# Altium PCB CM_PCB.PcbDoc (part 7 of 7)
Units mil, origin at the board's own origin, x right, y up, seen from the top; angles counter-clockwise.
Board outline 6478 x 5255 mil, 14 copper layers (Top Layer, GND1, HS1, GND2, DIFF_SE1, GND3, POWER1, POWER2, GND4, DIFF_SE2, GND5, HS2, GND6, Bottom Layer), stack 76.1 mil thick; 327 components, 386 nets, 2198 pads, 830 vias.
Unrouted connection lines stored in the file: 392.
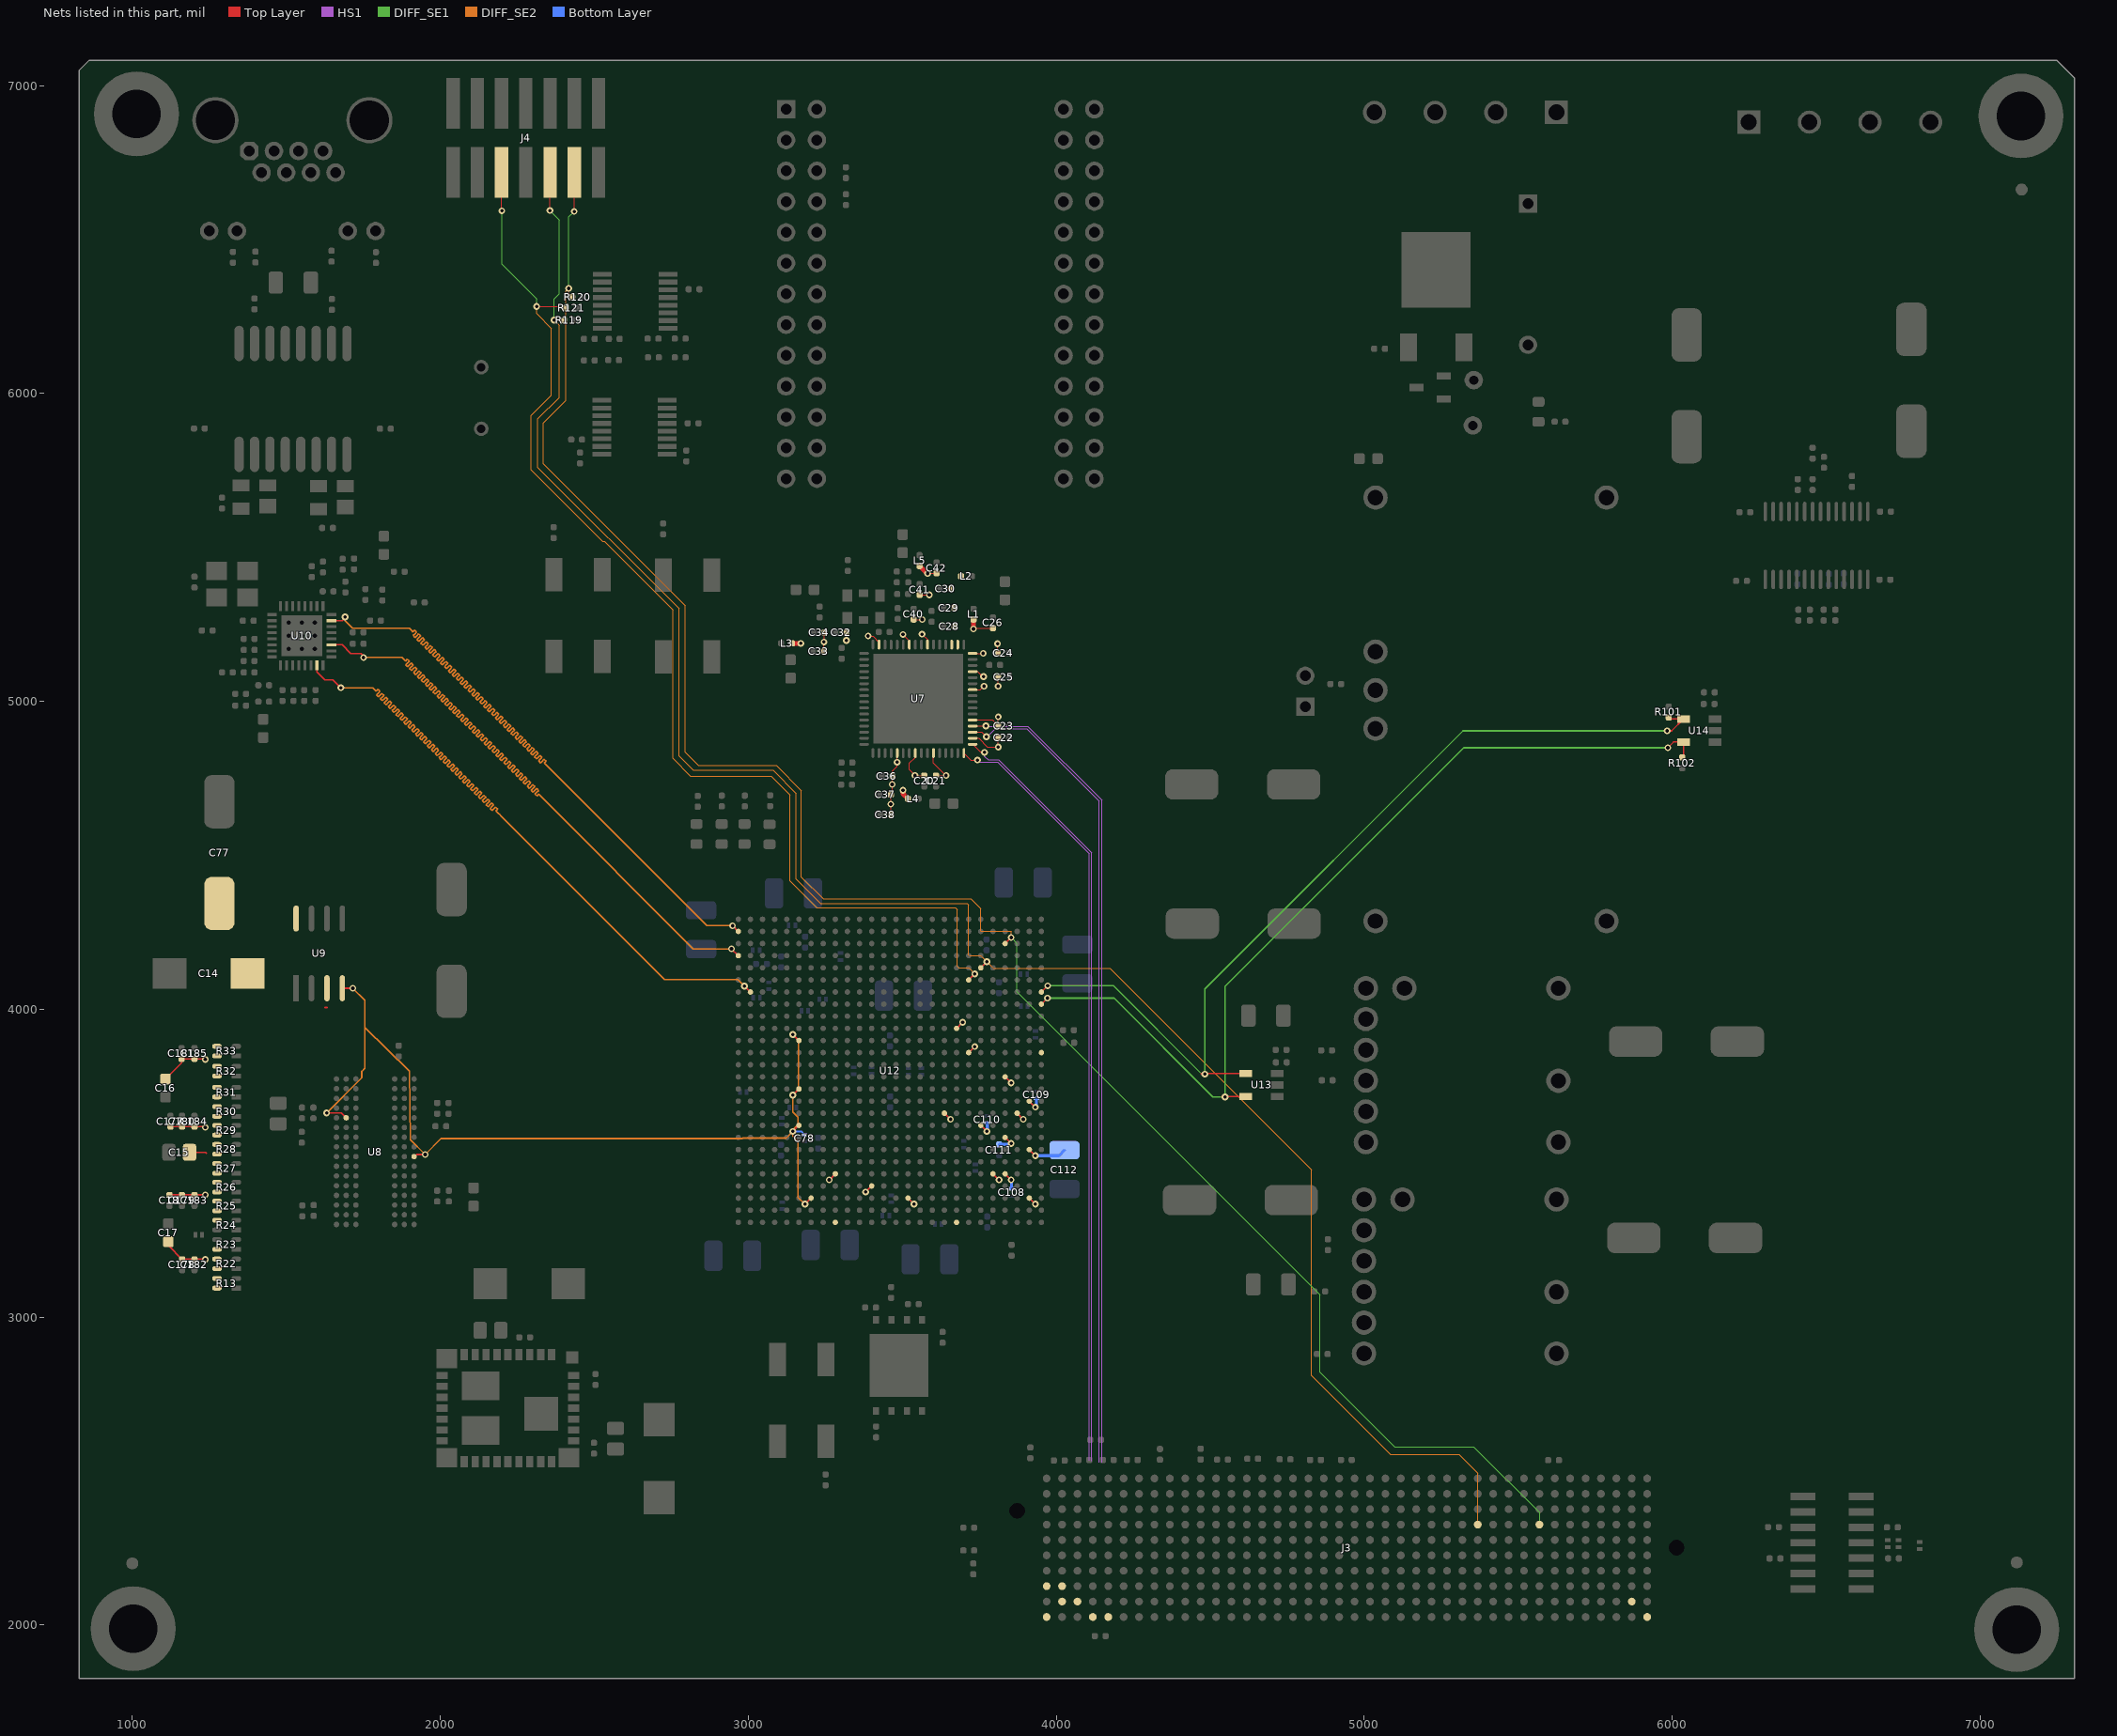
[diagram p19: the nets of this part, all layers, seen from the top]

## Via types
v1: diameter 22, hole 11, Top Layer to Bottom Layer, 627 vias
v2: diameter 22, hole 11, Top Layer to Bottom Layer, tented top, 139 vias
v3: diameter 19.68, hole 7.87, Top Layer to Bottom Layer, tented top, 27 vias
v4: diameter 19.68, hole 7.87, Top Layer to Bottom Layer, 25 vias
v5: diameter 19.68, hole 11.81, Top Layer to Bottom Layer, 12 vias

## Nets (pads, with @x,y where several pads share a name; then routed paths per layer and width w, separated by ;. In a path a pad name is that pad's centre, name@x,y a point inside that pad or via, vN(x,y) a via of type N, cw(c..) or ccw(c..) an arc to the next point about the centre after c; other vN are vias at no path point) (continued)
PHY_TXD3: U10.27 U12.D1 | length 2844.6
  Top Layer w4: U10.27@1646.9,5183.27 1681.73,5183.27 1710,5155 1743,5155 1751,5147 v1(1751,5142) ; v1(2945.63,4196) U12.D1@2967.82,4173.81
  DIFF_SE2 w4: v1(1751,5142) 1876,5142 1884,5134 1887.18,5130.82 1892.91,5136.55 1899.28,5130.19 1893.55,5124.45 1887.81,5118.72 1894.18,5112.36 1899.91,5118.09 1905.64,5123.82 1912.01,5117.46 1906.27,5111.73 1900.54,5105.99 1906.91,5099.63 1912.64,5105.36 1918.37,5111.09 1924.73,5104.73 1919,5099 1913.27,5093.27 1919.63,5086.9 1925.37,5092.63 1931.1,5098.37 1937.46,5092 1931.73,5086.27 1926,5080.54 1932.36,5074.17 1938.09,5079.91 1943.83,5085.64 1950.19,5079.28 1944.46,5073.54 1938.72,5067.81 1945.09,5061.45 1950.82,5067.18 1956.55,5072.91 1962.92,5066.55 1957.19,5060.81 1951.45,5055.08 1957.82,5048.72 1963.55,5054.45 1969.28,5060.18 1975.65,5053.82 1969.91,5048.09 1964.18,5042.35 1970.54,5035.99 1976.28,5041.72 1982.01,5047.46 1988.37,5041.09 1982.64,5035.36 1976.91,5029.63 1983.27,5023.26 1989.01,5028.99 1994.74,5034.73 2001.1,5028.36 1995.37,5022.63 1989.64,5016.9 1996,5010.53 2001.73,5016.27 2007.47,5022 2013.83,5015.64 2008.1,5009.9 2002.36,5004.17 2008.73,4997.81 2014.46,5003.54 2020.19,5009.27 2026.56,5002.91 2020.83,4997.17 2015.09,4991.44 2021.46,4985.08 2027.19,4990.81 2032.92,4996.54 2039.29,4990.18 2033.55,4984.45 2027.82,4978.71 2034.18,4972.35 2039.92,4978.08 2045.65,4983.82 2052.01,4977.45 2046.28,4971.72 2040.55,4965.99 2046.91,4959.62 2052.64,4965.35 2058.38,4971.09 2064.74,4964.72 2059.01,4958.99 2053.28,4953.26 2059.64,4946.89 2065.37,4952.63 2071.11,4958.36 2077.47,4952 2071.74,4946.26 2066,4940.53 2072.37,4934.17 2078.1,4939.9 2083.83,4945.63 2090.2,4939.27 2084.46,4933.54 2078.73,4927.8 2085.1,4921.44 2090.83,4927.17 2096.56,4932.9 2102.93,4926.54 2097.19,4920.81 2091.46,4915.07 2097.82,4908.71 2103.56,4914.44 2109.29,4920.18 2115.65,4913.81 2109.92,4908.08 2104.19,4902.35 2110.55,4895.98 2116.28,4901.72 2122.02,4907.45 2128.38,4901.08 2122.65,4895.35 2116.92,4889.62 2123.28,4883.25 2129.01,4888.99 2134.75,4894.72 2141.11,4888.36 2135.38,4882.62 2129.64,4876.89 2136.01,4870.53 2141.74,4876.26 2147.47,4881.99 2153.84,4875.63 2148.1,4869.9 2142.37,4864.16 2148.74,4857.8 2154.47,4863.53 2160.2,4869.26 2166.57,4862.9 2160.83,4857.17 2155.1,4851.44 2161.46,4845.07 2167.2,4850.8 2172.93,4856.54 2179.29,4850.17 2173.56,4844.44 2167.83,4838.71 2174.19,4832.34 2179.92,4838.08 2185.66,4843.81 2192.02,4837.44 2186.29,4831.71 2180.56,4825.98 2186.92,4819.62 2192.65,4825.35 2198.38,4831.08 2204.75,4824.72 2199.02,4818.98 2193.28,4813.25 2199.65,4806.89 2205.38,4812.62 2211.11,4818.35 2217.48,4811.99 2211.74,4806.26 2206.01,4800.52 2212.38,4794.16 2218.11,4799.89 2223.84,4805.62 2230.2,4799.26 2224.47,4793.53 2218.74,4787.8 2225.1,4781.43 2230.84,4787.16 2236.57,4792.9 2242.93,4786.53 2237.2,4780.8 2231.47,4775.07 2237.83,4768.7 2243.56,4774.44 2249.3,4780.17 2255.66,4773.81 2249.93,4768.07 2244.2,4762.34 2250.56,4755.98 2256.29,4761.71 2262.02,4767.44 2268.39,4761.08 2262.66,4755.34 2256.92,4749.61 2263.29,4743.25 2269.02,4748.98 2274.75,4754.71 2281.12,4748.35 2275.38,4742.62 2269.65,4736.88 2276.01,4730.52 2281.75,4736.25 2287.48,4741.99 2293.84,4735.62 2288.11,4729.89 2282.38,4724.16 2288.74,4717.79 2294.48,4723.52 2300.21,4729.26 2306.57,4722.89 2300.84,4717.16 2295.11,4711.43 2301.47,4705.06 2307.2,4710.8 2312.94,4716.53 2319.3,4710.17 2313.57,4704.43 2307.83,4698.7 2314.2,4692.34 2319.93,4698.07 2321,4697 2822,4196 v1(2945.63,4196)
PHY_TXEN: U10.23 U12.G2 | length 2845.3
  Top Layer w4: U10.23@1599.66,5116.34 1599.66,5095.34 1626,5069 1652,5069 v1(1677,5044) ; v1(2987.89,4075) U12.G2@3007.19,4055.7
  DIFF_SE2 w4: v1(1677,5044) 1781,5044 1789,5036 1792.18,5032.82 1797.9,5038.53 1804.26,5032.17 1798.55,5026.45 1792.83,5020.74 1799.19,5014.37 1804.91,5020.09 1810.63,5025.81 1816.99,5019.44 1811.27,5013.73 1805.56,5008.01 1811.92,5001.65 1817.64,5007.36 1823.35,5013.08 1829.72,5006.71 1824,5001 1818.29,4995.28 1824.65,4988.92 1830.37,4994.63 1836.08,5000.35 1842.44,4993.99 1836.73,4988.27 1831.01,4982.56 1837.38,4976.19 1843.09,4981.91 1848.81,4987.62 1855.17,4981.26 1849.46,4975.54 1843.74,4969.83 1850.11,4963.46 1855.82,4969.18 1861.54,4974.89 1867.9,4968.53 1862.19,4962.81 1856.47,4957.1 1862.83,4950.74 1868.55,4956.45 1874.26,4962.17 1880.63,4955.8 1874.91,4950.09 1869.2,4944.37 1875.56,4938.01 1881.28,4943.72 1886.99,4949.44 1893.36,4943.07 1887.64,4937.36 1881.93,4931.64 1888.29,4925.28 1894.01,4930.99 1899.72,4936.71 1906.08,4930.35 1900.37,4924.63 1894.65,4918.92 1901.02,4912.55 1906.73,4918.27 1912.45,4923.98 1918.81,4917.62 1913.1,4911.9 1907.38,4906.19 1913.75,4899.82 1919.46,4905.54 1925.18,4911.25 1931.54,4904.89 1925.83,4899.17 1920.11,4893.46 1926.47,4887.1 1932.19,4892.81 1937.9,4898.53 1944.27,4892.16 1938.55,4886.45 1932.84,4880.73 1939.2,4874.37 1944.92,4880.08 1950.63,4885.8 1957,4879.43 1951.28,4873.72 1945.57,4868 1951.93,4861.64 1957.64,4867.35 1963.36,4873.07 1969.72,4866.71 1964.01,4860.99 1958.29,4855.28 1964.66,4848.91 1970.37,4854.63 1976.09,4860.34 1982.45,4853.98 1976.74,4848.26 1971.02,4842.55 1977.39,4836.18 1983.1,4841.9 1988.82,4847.61 1995.18,4841.25 1989.46,4835.54 1983.75,4829.82 1990.11,4823.46 1995.83,4829.17 2001.54,4834.89 2007.91,4828.52 2002.19,4822.81 1996.48,4817.09 2002.84,4810.73 2008.56,4816.44 2014.27,4822.16 2020.64,4815.79 2014.92,4810.08 2009.21,4804.36 2015.57,4798 2021.28,4803.72 2027,4809.43 2033.36,4803.07 2027.65,4797.35 2021.93,4791.64 2028.3,4785.27 2034.01,4790.99 2039.73,4796.7 2046.09,4790.34 2040.38,4784.62 2034.66,4778.91 2041.03,4772.54 2046.74,4778.26 2052.46,4783.97 2058.82,4777.61 2053.1,4771.9 2047.39,4766.18 2053.75,4759.82 2059.47,4765.53 2065.18,4771.25 2071.55,4764.88 2065.83,4759.17 2060.12,4753.45 2066.48,4747.09 2072.2,4752.8 2077.91,4758.52 2084.28,4752.16 2078.56,4746.44 2072.84,4740.72 2079.21,4734.36 2084.92,4740.08 2090.64,4745.79 2097,4739.43 2091.29,4733.71 2085.57,4728 2091.94,4721.63 2097.65,4727.35 2103.37,4733.06 2109.73,4726.7 2104.02,4720.98 2098.3,4715.27 2104.66,4708.9 2110.38,4714.62 2116.1,4720.34 2122.46,4713.97 2116.74,4708.26 2111.03,4702.54 2117.39,4696.18 2123.11,4701.89 2128.82,4707.61 2135.19,4701.24 2129.47,4695.53 2123.76,4689.81 2130.12,4683.45 2135.84,4689.16 2141.55,4694.88 2147.92,4688.52 2142.2,4682.8 2136.48,4677.08 2142.85,4670.72 2148.56,4676.44 2154.28,4682.15 2160.64,4675.79 2154.93,4670.07 2149.21,4664.36 2155.58,4657.99 2161.29,4663.71 2167.01,4669.42 2173.37,4663.06 2167.66,4657.34 2161.94,4651.63 2168.3,4645.27 2174.02,4650.98 2179.74,4656.7 2186.1,4650.33 2180.38,4644.62 2186.75,4638.25 2190.5,4634.5 2193.68,4631.32 2196,4629 2729,4096 2966.89,4096 v1(2987.89,4075)
PHY_TXER: U10.31 U12.B1 | length 2847.7
  Top Layer w4: U10.31@1646.9,5262.01 1682.01,5262.01 1693,5273 1692,5273 v1(1691,5274) ; v1@2948.31,4271.69 v1(2949,4271) U12.B1@2968,4252
  DIFF_SE2 w4: v1(1691,5274) 1691,5262 1716,5237 1900,5237 1908,5229 1911.18,5225.82 1916.91,5231.55 1923.28,5225.19 1917.55,5219.45 1911.81,5213.72 1918.18,5207.36 1923.91,5213.09 1929.64,5218.82 1936.01,5212.46 1930.27,5206.73 1924.54,5200.99 1930.91,5194.63 1936.64,5200.36 1942.37,5206.09 1948.73,5199.73 1943,5194 1937.27,5188.27 1943.63,5181.9 1949.37,5187.63 1955.1,5193.37 1961.46,5187 1955.73,5181.27 1950,5175.54 1956.36,5169.17 1962.09,5174.91 1967.83,5180.64 1974.19,5174.27 1968.46,5168.54 1962.73,5162.81 1969.09,5156.45 1974.82,5162.18 1980.55,5167.91 1986.92,5161.55 1981.19,5155.81 1975.45,5150.08 1981.82,5143.72 1987.55,5149.45 1993.28,5155.18 1999.65,5148.82 1993.91,5143.09 1988.18,5137.35 1994.55,5130.99 2000.28,5136.72 2006.01,5142.45 2012.37,5136.09 2006.64,5130.36 2000.91,5124.63 2007.27,5118.26 2013.01,5123.99 2018.74,5129.73 2025.1,5123.36 2019.37,5117.63 2013.64,5111.9 2020,5105.53 2025.73,5111.27 2031.47,5117 2037.83,5110.64 2032.1,5104.9 2026.36,5099.17 2032.73,5092.81 2038.46,5098.54 2044.19,5104.27 2050.56,5097.91 2044.83,5092.17 2039.09,5086.44 2045.46,5080.08 2051.19,5085.81 2056.92,5091.54 2063.29,5085.18 2057.55,5079.45 2051.82,5073.71 2058.18,5067.35 2063.92,5073.08 2069.65,5078.82 2076.01,5072.45 2070.28,5066.72 2064.55,5060.99 2070.91,5054.62 2076.64,5060.35 2082.38,5066.09 2088.74,5059.72 2083.01,5053.99 2077.28,5048.26 2083.64,5041.89 2089.37,5047.63 2095.11,5053.36 2101.47,5047 2095.74,5041.26 2090,5035.53 2096.37,5029.17 2102.1,5034.9 2107.83,5040.63 2114.2,5034.27 2108.46,5028.54 2102.73,5022.8 2109.1,5016.44 2114.83,5022.17 2120.56,5027.9 2126.93,5021.54 2121.19,5015.81 2115.46,5010.07 2121.82,5003.71 2127.56,5009.44 2133.29,5015.18 2139.65,5008.81 2133.92,5003.08 2128.19,4997.35 2134.55,4990.98 2140.28,4996.72 2146.02,5002.45 2152.38,4996.08 2146.65,4990.35 2140.92,4984.62 2147.28,4978.26 2153.01,4983.99 2158.74,4989.72 2165.11,4983.36 2159.38,4977.62 2153.64,4971.89 2160.01,4965.53 2165.74,4971.26 2171.47,4976.99 2177.84,4970.63 2172.1,4964.9 2166.37,4959.16 2172.74,4952.8 2178.47,4958.53 2184.2,4964.26 2190.56,4957.9 2184.83,4952.17 2179.1,4946.44 2185.46,4940.07 2191.2,4945.8 2196.93,4951.54 2203.29,4945.17 2197.56,4939.44 2191.83,4933.71 2198.19,4927.34 2203.92,4933.08 2209.66,4938.81 2216.02,4932.44 2210.29,4926.71 2204.56,4920.98 2210.92,4914.62 2216.65,4920.35 2222.38,4926.08 2228.75,4919.72 2223.02,4913.98 2217.28,4908.25 2223.65,4901.89 2229.38,4907.62 2235.11,4913.35 2241.48,4906.99 2235.74,4901.26 2230.01,4895.52 2236.38,4889.16 2242.11,4894.89 2247.84,4900.62 2254.2,4894.26 2248.47,4888.53 2242.74,4882.8 2249.1,4876.43 2254.84,4882.16 2260.57,4887.9 2266.93,4881.53 2261.2,4875.8 2255.47,4870.07 2261.83,4863.7 2267.56,4869.44 2273.3,4875.17 2279.66,4868.8 2273.93,4863.07 2268.2,4857.34 2274.56,4850.98 2280.29,4856.71 2286.02,4862.44 2292.39,4856.08 2286.66,4850.34 2280.92,4844.61 2287.29,4838.25 2293.02,4843.98 2298.75,4849.71 2305.12,4843.35 2299.38,4837.62 2293.65,4831.88 2300.02,4825.52 2305.75,4831.25 2311.48,4836.98 2317.84,4830.62 2312.11,4824.89 2306.38,4819.16 2312.74,4812.79 2318.48,4818.52 2324.21,4824.26 2330.57,4817.89 2324.84,4812.16 2319.11,4806.43 2325.47,4800.06 2331.2,4805.8 2336.94,4811.53 2343.3,4805.16 2337.57,4799.43 2342.5,4794.5 2866,4271 v1(2949,4271)
PRSNT_M2C_L: J3.h2 U12.M26
TCK: J3.d29 J4.B03 R119.2 U12.E21 | length 6578
  Top Layer w3: v1(2356,6594) 2356.74,6594.74 J4.B03@2356.74,6717.8 ; v1(2370,6238) R119.2@2401.5,6238
  Top Layer w4: U12.E21@3755.22,4134.44 v1(3774.91,4154.13)
  DIFF_SE1 w3: v1(2356,6594) 2387,6563 2387,6323 2370,6306 v1(2370,6238)
  DIFF_SE2 w3: v1(2370,6238) 2386,6222 2386,5987 2317,5918 2317,5759 2775,5301 2775,4823 2822,4776 3080,4776 3155,4701 3155,4423 3235,4343 3711,4343 3716,4338 3716,4176 3718,4174 3755.03,4174 v1(3774.91,4154.13) 3796.03,4133 4175,4133 4829,3479 4829,2810 5085,2554 5308,2554 5369,2493 5369,2323
TDI: J4.B05 R121.2 U12.F20 | length 3858.8
  Top Layer w3: J4.B05@2199.26,6717.8 2199.26,6593.74 v1(2200,6593) ; v1(2313,6282) 2404.5,6282 R121.2@2408.5,6278
  Top Layer w4: U12.F20@3715.85,4095.07 v1(3735.54,4114.76)
  DIFF_SE1 w3: v1(2200,6593) 2200,6420 2313,6307 v1(2313,6282)
  DIFF_SE2 w3: v1(2313,6282) 2313,6259 2361,6211 2361,5994 2295,5928 2295,5752 2527.5,5519.5 2533.83,5519.5 2756,5297.33 2756,4814 2813,4757 3074,4757 3136,4695 3136,4416 3223,4329 3673,4329 3678,4324 3678,4139 3683,4134 3716.29,4134 v1(3735.54,4114.76)
TEMP_SCLK: R101.1 U12.G26 U13.4 U14.4 | length 3055
  Top Layer w5: U12.G26@3952.07,4055.7 v1(3972.37,4076) ; v1(4483,3789) 4473,3789 4470.6,3791.4 U13.4@4615.82,3791.4 ; v1(5984,4904) 5998.42,4904 U14.4@6036.82,4942.4 R101.1@5994.1,4942.4
  HS1 w5: v1(3972.37,4076) v1@3974,4076
  DIFF_SE1 w5: v1(3972.37,4076) 4186,4076 4473,3789 v1(4483,3789) 4483,4066 5321,4904 v1(5984,4904)
TEMP_SDA: R102.1 U12.H26 U13.5 U14.5 | length 3054.9
  Top Layer w5: U12.H26@3952.07,4016.33 v1(3971.74,4036) ; v1(4548,3715) 4539,3715 4537.4,3716.6 U13.5@4615.82,3716.6 ; v1(5986,4849) 6004.6,4867.6 U14.5@6036.82,4867.6 6036.82,4821.32 R102.1@6033,4817.5
  DIFF_SE1 w5: v1(3971.74,4036) 4188,4036 4509,3715 v1(4548,3715) 4548,4074 5323,4849 v1(5986,4849)
TMS: J3.d33 J4.B02 R120.2 U12.C23 | length 6472
  Top Layer w3: v1(2417,6341) 2417,6324.5 R120.2@2428.5,6313 ; v1(2435,6591) 2435.48,6591.48 J4.B02@2435.48,6717.8
  Top Layer w4: U12.C23@3833.96,4213.18 v1(3853.65,4232.87)
  DIFF_SE1 w3: v1(2417,6341) 2417,6573 v1(2435,6591) ; v1(3853.65,4232.87) 3872.51,4214 3872.51,4056.49 4857,3072 4857,2821 5099,2579 5356,2579 5571,2364 5571,2324
  DIFF_SE2 w3: v1(2417,6341) 2408,6332 2408,5977 2335,5904 2335,5771 2796,5310 2796,4834 2838,4792 3091,4792 3173,4710 3173,4429 3244,4358 3723,4358 3755,4326 3755,4254 3756,4253 3852,4253 3853.65,4251.35 v1(3853.65,4232.87)
VCC1_PLL: C40.2 C41.2 C42.2 L5.1 U7.39 U7.42 | length 206.3
  Top Layer w3: v1(3502.5,5217) 3522.97,5196.53 U7.42@3522.97,5184.18 ; C40.2@3537.5,5265.5 v1(3565,5265.5) ; C41.2@3556.5,5345.5 v1(3588,5345.5) ; v1(3564.5,5218) 3582.03,5200.47 U7.39@3582.03,5184.18 ; v1@3583,5415.5 C42.2@3611.5,5415.5
  Top Layer w15: L5.1@3556.5,5439.5 3580.5,5415.5 v1@3583,5415.5
  other v1: 3582.5,5415
VCC2_PLL: C36.2 C37.2 C38.2 L4.1 U7.5 | length 241.8
  Top Layer w3: C38.2@3463,4632 v1(3463,4666) C37.2@3463,4697 3463,4703.5 3468,4708.5 C36.2@3468,4757 3468,4773.5 3483.5,4789 v1(3483.5,4802) 3483.6,4802.1 U7.5@3483.6,4831.82
  Top Layer w15: v1(3502.5,4711) 3502.5,4699.5 L4.1@3518,4684
  other v1: 3467.5,4730
VCC_IN_PRI: C32.2 C33.2 C34.2 L3.1 U7.47 | length 165.1
  Top Layer w3: C33.2@3246,5162 v1(3246,5192.5) ; v1@3247,5193.5 C34.2@3247,5223 ; v1(3319,5197.5) C32.2@3319,5223 ; v1(3389.5,5212) 3390.5,5211 3405.5,5211 3424.55,5191.95 U7.47@3424.55,5184.18
  Top Layer w15: L3.1@3142,5188 v1(3170.5,5188)
VCC_OUT: C20.2 C21.2 C22.2 C23.2 C24.2 C25.2 C26.2 L1.1 U7.8 U7.11 U7.18 U7.21 U7.26 U7.29 U7.32 | length 755.1
  Top Layer w3: U7.8@3542.66,4831.82 3542.66,4818.16 3523.5,4799 3523.5,4777.66 3542.66,4758.5 C20.2@3571.5,4758.5 ; U7.11@3601.71,4831.82 3601.71,4798.79 3642,4758.5 C21.2@3609.5,4758.5 ; U7.18@3728.68,4880.05 3748.45,4880.05 3777,4851.5 v1(3812,4851.5) C22.2@3812,4880.05 ; U7.21@3728.68,4939.1 3792.9,4939.1 C23.2@3812,4920 v1(3812,4949.5) ; U7.26@3728.68,5037.53 3754.03,5037.53 v1(3765.5,5049) ; U7.29@3728.68,5096.58 3744.92,5096.58 3761.5,5080 v1(3764.5,5080) ; U7.32@3728.68,5155.64 v1(3763.14,5155.64) ; v1@3734,5237.5 C26.2@3794.5,5237.5 ; v1(3809.5,5187) 3810,5186.5 C24.2@3810,5156 ; v1(3811.5,5049) 3812,5049.5 C25.2@3812,5078
  Top Layer w15: v1(3731.5,5235) L1.1@3731.5,5265.5
  other v1: 3541.5,4759 3642.5,4759
VCC_VCO: C28.2 C29.2 C30.2 L2.1 U7.34 U7.35
VIO_B_M2C: C108.2 C109.2 C110.2 C111.2 C112.2 J3.j39 J3.k40 U12.AB23 U12.AD25 U12.M20 U12.P23 U12.T25 U12.U18 U12.V21 U12.W23 U12.Y25 | length 477.5
  Top Layer w4: U12.U18@3637.11,3662 v1(3656.8,3642.31) ; U12.M20@3715.85,3858.85 v1(3735.54,3878.54) ; U12.V21@3755.22,3622.63 v1(3774.91,3602.94) ; U12.AB23@3833.96,3465.15 v1(3853.65,3445.46) ; U12.W23@3833.96,3583.26 v1(3853.65,3563.57) ; U12.P23@3833.96,3780.11 v1(3853.65,3760.42) ; U12.AD25@3912.7,3386.41 v1(3932.39,3366.72) ; U12.Y25@3912.7,3543.89 v1(3932.39,3524.2) ; U12.T25@3912.7,3701.37 v1(3932.39,3681.68)
  Bottom Layer w10: v1(3774.91,3602.94) 3776,3604.04 C110.2@3776,3631 ; C111.2@3815,3560.5 v1@3850.57,3560.5 ; v1(3853.65,3445.46) 3855,3444.11 C108.2@3855,3416 ; v1(3932.39,3524.2) 4009.21,3524.2 C112.2@4027,3541.99 ; v1(3932.39,3681.68) 3936,3685.3 C109.2@3936,3711
VITTA_CLK0_N: J3.k5 U7.20 | length 2670.6
  Top Layer w3: U7.20@3728.68,4919.42 3770.92,4919.42 v1(3771.5,4920)
  HS1 w3: v1(3771.5,4920) 3772.5,4919 3908.31,4919 4148,4679.31 4148,2528
VITTA_CLK0_P: J3.k4 U7.19 | length 2673.5
  Top Layer w3: U7.19@3728.68,4899.73 3758.77,4899.73 v1(3773.5,4885)
  HS1 w3: v1(3773.5,4885) 3776,4885 3802,4911 3905,4911 4140,4676 4140,2528
VITTA_CLK1_N: J3.j3 U7.17 | length 2515.6
  Top Layer w3: U7.17@3728.68,4860.36 3755.04,4834 v1(3767.5,4834)
  HS1 w3: v1(3767.5,4834) 3767.5,4821.5 3779,4810 3813,4810 4115,4508 4115,2532
VITTA_CLK1_P: J3.j2 U7.16 | length 2515.1
  Top Layer w3: U7.16@3700.14,4831.82 3722.96,4809 v1(3744.5,4809)
  HS1 w3: v1(3744.5,4809) 3751.5,4802 3809.69,4802 4107,4504.69 4107,2532
VREF: C78.2 U8.H1 U8.M8 U9.4 U12.AD7 U12.L6 U12.R6 U12.V6 | length 3083.9
  Top Layer w4: U8.H1@1914.98,3521.25 U8.H1@1916.75,3521.25 ; v2@1941.5,3528 v2(1951,3528) ; v1(3144.98,3602.94) U12.V6@3164.67,3622.63 ; v1(3144.98,3721.05) U12.R6@3164.67,3740.74 ; v1(3144.98,3917.91) U12.L6@3164.67,3898.22 ; v1(3184.35,3366.72) U12.AD7@3204.04,3386.41
  Top Layer w5.5: v2(1631,3663) 1678.75,3663 U8.M8@1694.51,3647.24 ; U9.4@1682,4068 v2(1716,4068) ; U8.H1@1916.75,3521.25 1923.5,3528 v2@1941.5,3528
  DIFF_SE2 w4: v1(3144.98,3917.91) 3163,3899.89 3163,3739.07 v1(3144.98,3721.05) 3144.98,3666.36 3161.98,3649.36 3161.98,3625.31 3144.98,3608.31 v1(3144.98,3602.94) 3144.98,3587.62 3161.98,3570.62 3161.98,3389.09 v1(3184.35,3366.72)
  DIFF_SE2 w5.5: v2(1631,3663) 1745.25,3777.25 1745.25,3797.75 1755,3807.5 1755,4029 v2(1716,4068) ; 1755,3940 1900.07,3798.71 1903,3576 v2(1951,3528) 2003,3580 2980.9,3580 2982.22,3581.32 3123.36,3581.32 v1(3144.98,3602.94)
  Bottom Layer w5.5: v1(3144.98,3602.94) 3172.06,3602.94 C78.2@3183,3592
VREF_A_M2C: J3.h1 U12.AB9 U12.AC12 U12.AD15 U12.AF9 U12.AF19 | length 83.5
  Top Layer w4: v1(3263.09,3445.46) U12.AB9@3282.78,3465.15 ; v1(3381.2,3406.09) U12.AC12@3400.89,3425.78 ; U12.AD15@3519,3386.41 v1(3538.69,3366.72)
VREF_B_M2C: J3.k1 U12.AB22 U12.K19 U12.U24 | length 83.5
  Top Layer w4: U12.K19@3676.48,3937.59 v1(3696.17,3957.28) ; U12.AB22@3794.59,3465.15 v1(3814.28,3445.46) ; U12.U24@3873.33,3662 v1(3893.02,3642.31)
VTT: C14.2 C15.2 C16.2 C17.2 C18.2 C77.1 C177.2 C178.2 C179.2 C180.2 C181.2 C182.2 C183.2 C184.2 C185.2 R13.3 R13.4 R22.3 R22.4 R23.4 R24.3 R25.3 R25.4 R26.3 R26.4 R27.3 R27.4 R28.3 R28.4 R29.3 R29.4 R30.3 R30.4 R31.3 R31.4 R32.3 R32.4 R33.3 R33.4 U9.3 U9.8 | length 608.5
  Top Layer w5.5: C16.2@1108,3773.5 1160,3825.5 C181.2@1160,3838.5 C185.2@1202,3838.5 1235.5,3838.5 v2(1237,3837) ; C17.2@1117,3244.5 1117,3232.5 C178.2@1162,3187.5 C182.2@1202,3187.5 1236.5,3187.5 v2(1237,3187) ; C18.2@1121,3396.5 C179.2@1161,3396.5 C183.2@1202,3396.5 1236.5,3396.5 v2(1237,3397) ; C177.2@1124,3618.5 C180.2@1162,3618.5 C184.2@1202,3618.5 1234.5,3618.5 v2(1237,3616) ; C15.2@1186,3535 1238,3535 1241,3532 ; 1626,4005 1633,4005
pads on no net: D8.2 FID1.0 FID2.0 FID3.0 J2.0 J3.0 J3.b40 J3.c39 J3.d32 J3.d36 J3.d38 J3.d40 J3.e2 J3.e3 J3.e12 J3.e13 J3.e15 J3.e16 J3.e18 J3.e19 J3.e39 J3.f4 J3.f5 J3.f13 J3.f14 J3.f16 J3.f17 J3.f19 J3.f20 J3.f40 J3.g10 J3.g15 J3.g28 J3.g39 J3.h20 J3.h38 J3.h40 J3.j10 J3.j13 J3.j15 J3.j16 J3.j18 J3.j19 J3.j21 J3.j22 J3.k16 J3.k17 J3.k19 J3.k20 J3.k22 J3.k23 J4.B06 J4.B07 T1.4 T1.5 T1.12 T1.13 U1.3 U2.2 U2.3 U2.6 U2.15 U2.16 U2.17 U2.18 U2.19 U2.20 U2.21 U2.22 U2.23 U2.24 U2.25 U2.26 U2.27 U2.28 U2.39 U3.1 U3.10 U4.1 U4.9 U7.1 U7.6 U7.7 U7.13 U7.15 U7.27 U7.28 U7.31 U7.33 U7.44 U7.49 U7.50 U7.51 U7.52 U7.53 U7.54 U7.55 U7.56 U7.57 U7.58 U7.59 U7.60 U7.61 U7.62 U7.63 U7.64 U8.J1 U8.J9 U8.L1 U8.L9 U8.M7 U8.T7 U9.1 U10.8 U12.A8 U12.A9 U12.A10 U12.A11 U12.A12 U12.A13 U12.A19 U12.A20 U12.A21 U12.A22 U12.AA3 U12.AA4 U12.AA5 U12.AA7 U12.AA8 U12.AA20 U12.AA22 U12.AA23 U12.AA24 U12.AB4 U12.AB5 U12.AB6 U12.AB7 U12.AB8 U12.AB19 U12.AB21 U12.AC3 U12.AC4 U12.AC5 U12.AC7 U12.AC22 U12.AC23 U12.AC24 U12.AD4 U12.AD5 U12.AE3 U12.AE23 U12.AE24 U12.AE25 U12.AE26 U12.AF2 U12.AF24 U12.AF25 U12.B8 U12.B10 U12.B12 U12.B14 U12.B20 U12.B22 U12.C3 U12.C4 U12.C5 U12.C6 U12.C7 U12.C8 U12.C9 U12.C10 U12.C11 U12.C12 U12.C13 U12.C14 U12.C16 U12.C17 U12.C18 U12.C20 U12.C21 U12.C24 U12.C25 U12.D3 U12.D5 U12.D6 U12.D7 U12.D8 U12.D10 U12.D11 U12.D12 U12.D13 U12.D14 U12.D15 U12.D16 U12.D18 U12.D19 U12.D20 U12.D21 U12.D22 U12.D23 U12.D24 U12.E3 U12.E4 U12.E5 U12.E6 U12.E8 U12.E9 U12.E10 U12.E12 U12.E14 U12.E16 U12.E17 U12.E18 U12.E19 U12.E20 U12.E23 U12.E24 U12.E25 U12.F3 U12.F5 U12.F7 U12.F8 U12.F9 U12.F10 U12.F11 U12.F12 U12.F13 U12.F14 U12.F15 U12.F16 U12.F17 U12.F18 U12.F22 U12.F24 U12.F26 U12.G3 U12.G4 U12.G5 U12.G6 U12.G7 U12.G8 U12.G9 U12.G11 U12.G13 U12.G14 U12.G16 U12.G17 U12.G19 U12.G20 U12.G21 U12.G22 U12.G23 U12.G24 U12.G25 U12.H3 U12.H5 U12.H6 U12.H7 U12.H8 U12.H9 U12.H10 U12.H12 U12.H13 U12.H15 U12.H16 U12.H17 U12.H18 U12.H19 U12.H20 U12.H21 U12.H22 U12.H24 U12.J3 U12.J4 U12.J5 U12.J7 U12.J10 U12.J11 U12.J12 U12.J13 U12.J14 U12.J15 U12.J16 U12.J17 U12.J20 U12.J22 U12.J23 U12.J24 U12.J25 U12.J26 U12.K5 U12.K6 U12.K7 U12.K8 U12.K9 U12.K10 U12.K12 U12.K14 U12.K15 U12.K20 U12.K21 U12.K22 U12.K24 U12.K26 U12.L7 U12.L8 U12.L9 U12.L19 U12.L20 U12.L21 U12.M3 U12.M4 U12.M24 U12.P17 U12.P18 U12.R5 U12.R7 U12.R10 U12.R17 U12.R18 U12.R19 U12.R20 U12.R21 U12.R22 U12.T4 U12.T6 U12.T8 U12.T9 U12.T10 U12.T18 U12.T19 U12.T20 U12.T22 U12.T23 U12.U3 U12.U4 U12.U5 U12.U7 U12.U8 U12.U9 U12.U17 U12.U19 U12.U20 U12.U21 U12.U22 U12.U23 U12.U25 U12.U26 U12.V5 U12.V7 U12.V8 U12.V10 U12.V17 U12.V18 U12.V19 U12.V20 U12.V22 U12.W5 U12.W7 U12.W8 U12.W9 U12.W10 U12.W18 U12.W19 U12.W21 U12.W22 U12.Y5 U12.Y6 U12.Y8 U12.Y9 U12.Y20 U12.Y21 U12.Y22 U13.1 U14.1 U16.PAD U18.CN2-9 U18.CN2-12 U18.CN2-13 U18.CN2-14 U18.CN2-15 U18.CN2-16 U18.CN2-17 U18.CN2-18 U18.CN2-19 U18.CN2-20 U18.CN2-22 U18.CN2-23 U18.CN2-24 U18.CN2-25 U18.CN2-26 U18.CN3-5 U18.CN3-6 U18.CN3-7 U18.CN3-9 U18.CN3-10 U18.CN3-11 U18.CN3-13 U18.CN3-14 U18.CN3-15 U18.CN3-16 U18.CN3-17 U18.CN3-18 U18.CN3-19 U18.CN3-20 U18.CN3-21 U19.4 U19.7 U19.10 U19.13 Y1.2

## Polygon pours and split planes (outlines as drawn)
GND on Top Layer "Bottom Layer-No Net" (solid, pour order 54): 6135,5687.4 6799,5687.4 6799,5334 6135,5334
AOUT2 on Top Layer "Aout2" (solid, pour order 44): 6371,5585 6378,5578 6387,5578 6387,5579 6396,5588 6395,5589 6395,5649 6395,5734 6437,5776 6441,5780 6441,5842 6441,5847 6468,5874 6523,5929 6523,6876 6523,6926 6475,6974 6406,6974 6404,6974 6378,6948 6342,6912 6342,5848 6312,5818 6312,5585
BOUT2 on Top Layer "Bout2" (solid, pour order 24): 6543,5593 6555,5581 6564,5581 6573,5590 6573,5672 6573,5673 6601,5701 6727,5827 6727,6880 6727,6915 6672,6970 6671,6971 6588,6971 6587,6971 6541,6925 6542,6924 6542,5930 6542,5917 6493,5868 6495,5866 6495,5593
24V0 on Top Layer "netf1_1" (solid, pour order 18): 5294,6195 5294,6008 5283,5997 5282,5996 5233,5996 5233,5908 5307,5834 5418,5834 5418,6197 5294,6197
NetF1_2 on Top Layer "netf1_2" (solid, pour order 14): 5469,6180 5469,6124 5488,6105 5494,6099 5582,6099 5603,6120 5603,6129 5603,6460 5566,6497 5539,6524 5117,6524 5117,6276 5346,6276 5352,6270
NetF1_1 on Top Layer "netf1_1" (solid, pour order 12): 5370,7061 5369,7060 5369,6557 5747,6557 5749,6555 5749,7061
GND on Top Layer "Bottom Layer-No Net" (solid, pour order 10): 2404,2574 2526,2574 2552,2600 2795,2600 2795,2370 2765,2340 2428,2340 2380,2340 2380,2550 2320,2550 2260,2630 2259,2631 2259,2745 2395,2745 2404,2736 2404,2702
GND on Top Layer "Bottom Layer-No Net" (solid, pour order 8): 2171,2855 2270,2855 2270,2955 2270,2960 2360,3050 2475,3050 2475,3165 2305,3165 2305,3120 2220,3035 2170,3035 2171,3034 2171,2856
3V3 on Top Layer "Bottom Layer-No Net" (solid, pour order 6): 2409,2683 2609,2683 2649,2723 2764,2723 2764,2608 2549,2608 2519,2579 2518,2579 2409,2579
1V5 on Top Layer "Bottom Layer-No Net" (solid, pour order 4): 2194,2728 1919,2728 1919,3165 2164,3165 2164,2858 2204,2818 2204,2728
VTT on Top Layer "Bottom Layer-No Net" (solid, pour order 2): 1775,3980 1771,4269 1770,4270 1771,4271 1771,4375 1400,4375 1340,4435 1225,4435 1225,4037 1225,3970 1225,3075 1310,3075 1310,3479 1310,3895 1385,3980 1750,3980 1801,3980 1801,3981
VCC_VCO on Top Layer "HS1-No Net" (solid, pour order 0): 3698.5,5202 3697.5,5203 3697.5,5413 3639.5,5413 3638.5,5412 3636.5,5410 3636.5,5247 3651.5,5232 3651.5,5193 3651.5,5164 3656.5,5159 3698.5,5159
GND on Bottom Layer "Bottom Layer-No Net" (solid, pour order 52): 6278,5573 6278,5439 6660,5439 6660,5573 6278,5573
BOUT1 on Bottom Layer "Bout1" (solid, pour order 34): 6521.5,5419 6521.5,5218 6521.5,5216 6528.5,5209 6530.5,5207 7002.5,5207 7002.5,6784 6916.5,6870 6913.5,6873 6913.5,6929 6913.5,6931 6868.5,6976 6807.5,6976 6803.5,6976 6793,6965.5 6793,5434 6526.5,5434 6521.5,5429
AOUT1 on Bottom Layer "Aout1" (solid, pour order 28): 6363,5430 6395,5430 6395,5210 6172,5210 6049,5333 6043,5339 6043,5668 6043,5691 6135,5783 6149,5797 6149,6683 6149,6912 6211,6974 6288,6974 6292,6974 6325,6941 6325,6797 6325,5849 6236,5768.83 6236,5341 6330,5341 6335,5341 6362,5368 6363,5369
GND on Top Solder "Bottom Layer-No Net" (solid): 6135,5573 6800,5573 6800,5439 6135,5439
no net on GND1 (split plane): 4886.45,6921 4886.45,6785.55 4226.55,6785.55 4226.55,7056.45 4886.45,7056.45
FTDI_GND on GND1 (split plane): 4195.45,5656.06 4190.94,5651.55 2705.06,5651.55 2635.55,5721.06 2635.55,7060.9 4195.45,7060.9
GND_CHASSIS on GND1 (split plane): 1929.2,7060.8 1928.64,7059.98 1928.45,7059 1928.45,6103.06 1908.94,6083.55 848.1,6083.55 848.1,7041.68 867.32,7060.9 1929.35,7060.9
GND on GND1 (split plane): 7285.9,7016.68 7285.9,1846.1 848.1,1846.1 848.1,6078.45 1910,6078.45 1910.98,6078.65 1911.8,6079.2 1932.8,6100.2 1933.36,6101.02 1933.55,6102 1933.55,7059 1933.36,7059.98 1932.8,7060.8 1932.65,7060.9 2630.45,7060.9 2630.45,5720 2630.64,5719.02 2631.2,5718.2 2702.2,5647.2 2703.02,5646.65 2704,5646.45 4192,5646.45 4192.98,5646.65 4193.8,5647.2 4199.8,5653.2 4200.35,5654.02 4200.55,5655 4200.55,7060.9 4222.35,7060.9 4222.2,7060.8 4221.65,7059.98 4221.45,7059 4221.45,6783 4221.65,6782.02 4222.2,6781.2 4223.02,6780.65 4224,6780.45 4889,6780.45 4889.98,6780.65 4890.8,6781.2 4891.35,6782.02 4891.55,6783 4891.55,6921 4891.55,7059 4891.35,7059.98 4890.8,7060.8 4890.65,7060.9 7241.68,7060.9
FTDI_GND on GND2 (split plane): 4195.45,5655.06 4190.94,5650.55 2705.06,5650.55 2635.55,5720.06 2635.55,7060.9 4195.45,7060.9
GND on GND2 (split plane): 7285.9,7016.68 7285.9,1846.1 848.1,1846.1 848.1,6078.45 1910,6078.45 1910.98,6078.65 1911.8,6079.2 1931.8,6099.2 1932.36,6100.02 1932.55,6101 1932.55,7060.9 2630.45,7060.9 2630.45,5719 2630.64,5718.02 2631.2,5717.2 2702.2,5646.2 2703.02,5645.65 2704,5645.45 4192,5645.45 4192.98,5645.65 4193.8,5646.2 4199.8,5652.2 4200.35,5653.02 4200.55,5654 4200.55,7060.9 7241.68,7060.9
GND_CHASSIS on GND2 (split plane): 1927.45,6102.06 1908.94,6083.55 848.1,6083.55 848.1,7041.68 867.32,7060.9 1927.45,7060.9
FTDI_GND on GND3 (split plane): 4194.45,5656.06 4187.94,5649.55 2706.06,5649.55 2635.4,5720.21 2635.36,5720.43 2635.16,5720.73 2635.36,5721.02 2635.55,5722 2635.55,7060.9 4194.45,7060.9
GND on GND3 (split plane): 7285.9,7016.68 7285.9,1846.1 848.1,1846.1 848.1,6078.45 1910,6078.45 1910.98,6078.65 1911.8,6079.2 1931.8,6099.2 1932.36,6100.02 1932.55,6101 1932.55,7060.9 2630.45,7060.9 2630.45,5722 2630.64,5721.02 2630.84,5720.73 2630.64,5720.43 2630.45,5719.45 2630.45,5719 2630.64,5718.02 2631.2,5717.2 2703.2,5645.2 2704.02,5644.65 2705,5644.45 4189,5644.45 4189.98,5644.65 4190.8,5645.2 4198.8,5653.2 4199.35,5654.02 4199.55,5655 4199.55,7060.9 7241.68,7060.9
GND_CHASSIS on GND3 (split plane): 1927.45,6102.06 1908.94,6083.55 848.1,6083.55 848.1,7041.68 867.32,7060.9 1927.45,7060.9
VIO_B_M2C on POWER2 (split plane): 3944.9,3693.89 3944.9,3470 3945.29,3468.05 3946.4,3466.4 4001.4,3411.4 4001.4,3411.39 4291.4,3121.4 4293.05,3120.29 4295,3119.9 4537.89,3119.9 4984.4,2673.4 4986.05,2672.29 4988,2671.9 5184.89,2671.9 5547.4,2309.4 5549.05,2308.29 5551,2307.9 5726.89,2307.9 5958.9,2075.89 5958.9,2020.11 5934.89,1996.1 5865.11,1996.1 5861.6,1999.6 5667.6,2193.6 5665.95,2194.71 5664,2195.1 5516.11,2195.1 5130.6,2580.6 5128.95,2581.71 5127,2582.1 4962.11,2582.1 4514.6,3029.6 4512.95,3030.71 4511,3031.1 4229.11,3031.1 3894.6,3365.6 3814.1,3446.11 3814.1,3549 3813.71,3550.95 3812.6,3552.6 3796.6,3568.6 3794.95,3569.71 3793,3570.1 3703.11,3570.1 3623.1,3650.11 3623.1,3801.89 3709.11,3887.9 3750.89,3887.9
3V3 on POWER2 (split plane): 7285.9,7016.68 7285.9,1846.1 848.1,1846.1 848.1,7041.68 867.32,7060.9 7241.68,7060.9
FTDI_GND on GND4 (split plane): 4195.45,5654.06 4191.94,5650.55 2705.06,5650.55 2634.55,5721.06 2634.55,7060.9 4195.45,7060.9
GND on GND4 (split plane): 7285.9,7016.68 7285.9,1846.1 848.1,1846.1 848.1,6078.45 1910,6078.45 1910.98,6078.65 1911.8,6079.2 1932.8,6100.2 1933.36,6101.02 1933.55,6102 1933.55,7060.9 2629.45,7060.9 2629.45,5720 2629.64,5719.02 2630.2,5718.2 2702.2,5646.2 2703.02,5645.65 2704,5645.45 4193,5645.45 4193.98,5645.65 4194.8,5646.2 4199.8,5651.2 4200.35,5652.02 4200.55,5653 4200.55,7060.9 7241.68,7060.9
GND_CHASSIS on GND4 (split plane): 1928.45,6103.06 1908.94,6083.55 848.1,6083.55 848.1,7041.68 867.32,7060.9 1928.45,7060.9
FTDI_GND on GND5 (split plane): 4195.45,5676 4195.45,5652.55 2703.06,5652.55 2635.55,5720.06 2635.55,7060.9 4195.45,7060.9
GND on GND5 (split plane): 7285.9,7016.68 7285.9,1846.1 848.1,1846.1 848.1,6078.45 1910,6078.45 1910.98,6078.65 1911.8,6079.2 1931.8,6099.2 1932.36,6100.02 1932.55,6101 1932.55,7060.9 2630.45,7060.9 2630.45,5719 2630.64,5718.02 2631.2,5717.2 2700.2,5648.2 2701.02,5647.65 2702,5647.45 4198,5647.45 4198.98,5647.65 4199.8,5648.2 4200.35,5649.02 4200.55,5650 4200.55,5676 4200.55,7060.9 7241.68,7060.9
GND_CHASSIS on GND5 (split plane): 1927.45,6102.06 1908.94,6083.55 848.1,6083.55 848.1,7041.68 867.32,7060.9 1927.45,7060.9
FTDI_GND on GND6 (split plane): 4195.45,5652.06 4193.94,5650.55 2705.06,5650.55 2635.55,5720.06 2635.55,7060.9 4195.45,7060.9
GND on GND6 (split plane): 7285.9,7016.68 7285.9,1846.1 848.1,1846.1 848.1,6078.45 1910,6078.45 1910.98,6078.65 1911.8,6079.2 1932.8,6100.2 1933.36,6101.02 1933.55,6102 1933.55,7060.9 2630.45,7060.9 2630.45,5719 2630.64,5718.02 2631.2,5717.2 2702.2,5646.2 2703.02,5645.65 2704,5645.45 4195,5645.45 4195.98,5645.65 4196.8,5646.2 4199.8,5649.2 4200.35,5650.02 4200.55,5651 4200.55,7060.9 7241.68,7060.9
GND_CHASSIS on GND6 (split plane): 1928.45,6103.06 1908.94,6083.55 848.1,6083.55 848.1,7041.68 867.32,7060.9 1928.45,7060.9
24V0 on POWER1 (split plane): 7285.9,7016.68 7285.9,5187.09 5410.18,5187.09 4930.09,5667.18 4930.09,7060.9 7241.68,7060.9
VCC_OUT on POWER1 (split plane): 3827.45,5187.94 3827.45,4822.06 3721.94,4716.55 3528.06,4716.55 3522.55,4722.06 3522.55,4820.94 3533.06,4831.45 3675,4831.45 3675.98,4831.65 3676.8,4832.2 3698.78,4854.17 3699.33,4855 3699.52,4855.98 3699.52,5230.65 3699.33,5231.62 3698.89,5232.28 3719.06,5252.45 3762.94,5252.45
VCC1_PLL on POWER1 (split plane): 3629.45,5413.94 3629.45,5380.06 3602.2,5352.8 3601.64,5351.98 3601.45,5351 3601.45,5251.06 3581.2,5230.8 3580.64,5229.98 3580.45,5229 3580.45,5193.06 3575.94,5188.55 3485.06,5188.55 3482.55,5191.06 3482.55,5408.94 3506.06,5432.45 3610.94,5432.45
12V0 on POWER1 (split plane): 5251.87,4991.87 5757.87,4485.87 5809.91,4433.82 5809.91,2361.18 5760.82,2312.09 5647.18,2312.09 5614.09,2345.18 5614.09,2503 5613.76,2505.5 5614.09,2508 5613.74,2510.61 5612.73,2513.04 5611.13,2515.13 5246.48,2879.78 5246.48,3557.4 5246.14,3560.01 5245.13,3562.44 5243.53,3564.53 5241.44,3566.13 5239.01,3567.14 5236.4,3567.48 5006.78,3567.48 4931.09,3643.18 4931.09,3724.82 4978.18,3771.91 5237,3771.91 5239.61,3772.26 5242.04,3773.26 5244.13,3774.87 5244.57,3775.43 5245.13,3775.87 5246.73,3777.96 5247.74,3780.39 5248.09,3783 5248.09,4214 5247.74,4216.61 5246.73,4219.04 5245.13,4221.13 5243.04,4222.73 5240.61,4223.74 5238,4224.09 4794.18,4224.09 4754.09,4264.18 4754.09,4961 4754.09,4997.82 4766.18,5009.91 5233.82,5009.91
1V2 on POWER1 (split plane): 5227.91,3792.09 4974,3792.09 4971.39,3791.74 4970.68,3791.45 4968.96,3790.74 4966.87,3789.13 4913.87,3736.13 4912.27,3734.04 4911.26,3731.61 4910.91,3729 4910.91,3650.09 3311.09,3650.09 3311.09,3888 3311.09,3949 3311.09,3960.91 4554,3960.91 4556.61,3961.26 4559.04,3962.26 4561.13,3963.87 4801.13,4203.87 4801.17,4203.91 5227.91,4203.91
VCC2_PLL on POWER1 (split plane): 3518.2,4823.8 3517.64,4822.98 3517.45,4822 3517.45,4721 3517.45,4622.06 3496.94,4601.55 3466.06,4601.55 3454.55,4613.06 3454.55,4823.94 3462.06,4831.45 3525.85,4831.45
FTDI_3V3 on POWER1 (split plane): 4186.91,5660.09 2707.18,5660.09 2643.09,5724.18 2643.09,7060.9 4186.91,7060.9
FTDI_5V0 on POWER1 (split plane): 4123.45,6789.06 4107.94,6773.55 3401,6773.55 3400.02,6773.35 3399.2,6772.8 3343.2,6716.8 3342.64,6715.98 3342.45,6715 3342.45,6600.06 3332.94,6590.55 3228.06,6590.55 3220.55,6598.06 3220.55,6745.94 3334.06,6859.45 3860,6859.45 3860.98,6859.65 3861.8,6860.2 3960.06,6958.45 4123.45,6958.45
VCC_IN_PRI on POWER1 (split plane): 3426.45,5204.94 3426.45,5173.06 3419.94,5166.55 3310,5166.55 3309.02,5166.35 3308.2,5165.8 3284.94,5142.55 3151.06,5142.55 3118.55,5175.06 3118.55,5209.94 3158.06,5249.45 3381.94,5249.45
3V3 on POWER1 (split plane): 4909.91,5663 4910.26,5660.39 4911.27,5657.96 4912.87,5655.87 5398.87,5169.87 5400.96,5168.27 5403.39,5167.26 5406,5166.91 7285.9,5166.91 7285.9,1846.1 848.1,1846.1 848.1,7041.68 867.32,7060.9 2622.91,7060.9 2622.91,5720 2623.26,5717.39 2624.26,5714.96 2625.87,5712.87 2695.87,5642.87 2697.96,5641.27 2699.68,5640.55 2700.39,5640.26 2703,5639.91 4191,5639.91 4193.61,5640.26 4196.04,5641.27 4198.13,5642.87 4199.73,5644.96 4200.41,5646.59 4202.04,5647.27 4204.13,5648.87 4205.73,5650.96 4206.74,5653.39 4207.09,5656 4207.09,7060.9 4909.91,7060.9
1V5 on POWER1 (split plane): 1869.87,4263.87 1871.96,4262.27 1874.39,4261.26 1877,4260.91 2545.82,4260.91 2924.87,3881.87 2926.96,3880.26 2927.67,3879.97 2929.39,3879.26 2932,3878.91 3290.91,3878.91 3290.91,3641 3290.91,3519.18 2662.83,2891.1 2661.96,2890.74 2659.87,2889.13 2485.82,2715.09 1916.18,2715.09 1493.09,3138.18 1493.09,3259 1493.09,4149.82 1714.18,4370.91 1762.82,4370.91

## Keep-outs
Keep-Out Layer:
  the board outline again, w4

## Other copper
Top Layer:
  text "1" at 4261,6960 h60
HS1:
  text "3" at 4441,6960 h60
DIFF_SE1:
  text "5" at 4632,6960 h60
DIFF_SE2:
  text "10" at 4427,6830 h45
HS2:
  text "12" at 4618,6831 h45
Bottom Layer:
  text "14" at 4807,6833 h45
GND1 (plane layer: these items are gaps in the copper):
  lines w5: 848.1,6081 1910,6081 1931,6102 1931,7059 ; 2633,7063 2633,5720 2704,5649 4192,5649 4198,5655 4198,7063 ; 4224,6783 4224,7059 4889,7059 4889,6921 4889,6783 4224,6783
  text "2" at 4346,6960 h60
GND2 (plane layer: these items are gaps in the copper):
  lines w5: 848.1,6081 1910,6081 1930,6101 1930,7062 ; 2633,7063 2633,5719 2704,5648 4192,5648 4198,5654 4198,7064
  text "4" at 4535,6960 h60
GND3 (plane layer: these items are gaps in the copper):
  lines w5: 848.1,6081 1910,6081 1930,6101 1930,7061 ; 2633,5719.45 2633,5719 2705,5647 4167,5647 4189,5647 4197,5655 4197,7076 ; 2633,5722 2633,7067
  text "6" at 4726,6962 h60
POWER1 (plane layer: these items are gaps in the copper):
  lines w5: 3696,5233 3718,5255 3737,5255 3764,5255 3830,5189 3830,4821 3723,4714 3527,4714 3520,4721 ; 3696.98,5230.65 3696.98,4855.98 3675,4834 3532,4834 ; 4191,5650 4197,5656 ; 3520,4721 3520,4621 3498,4599 3465,4599 3452,4612 3452,4825 3461,4834 3532,4834 ; 3520,4721 3520,4822 3532,4834 ; 3116,5174 3150,5140 3286,5140 3310,5164 3397,5164 3421,5164 3429,5172 3429,5206 3383,5252 3157,5252 3116,5211 3116,5174 ; 3218,6597 3218,6747 3333,6862 3860,6862 3959,6961 4126,6961 4126,6788 4109,6771 3401,6771 3345,6715 3345,6599 3334,6588 3227,6588 3218,6597 ; 3480,5190 3480,5410 3505,5435 3612,5435 3632,5415 3632,5379 3604,5351 3604,5250 3583,5229 3583,5192 3577,5186 3484,5186 3480,5190
  lines w10: 3300,3889 3301,3888 ; 3301,3641 3302,3640 ; 4794,4211 5237,4211 5237,3782 4976,3782 ; 5604,2503 5604,2508 ; 7302,5177 7302,5248
  lines w20: 2633,7075 2633,5720 2703,5650 4191,5650 ; 2667,2882 2490,2705 1912,2705 1483,3134 1483,3259 1483,4154 1710,4381 1767,4381 1877,4271 2147.5,4271 2550,4271 2932,3889 3300,3889 ; 2668,2882 3301,3515 3301,3888 ; 3301,3641 3301,3949 ; 3301,3945 3301,3971 3605,3971 4428,3971 4554,3971 4794,4211 ; 3302,3640 4431,3640 4896,3640 4921,3640 ; 4197,5656 4197,7065 ; 4744,4939 4744,5002 4762,5020 5238,5020 5259,4999 5765,4493 5820,4438 5820,2357 5765,2302 5643,2302 5604,2341 5604,2503 ; 4744,4961 4744,4260 4790,4214 5238,4214 5238,3783 ; 4920,7077 4920,5663 5406,5177 7302,5177 ; 5236.4,2875.6 5236.4,3557.4 5002.6,3557.4 4921,3639 4921,3729 4974,3782 5237,3782 ; 5238,2874 5604,2508
  text "7" at 4822,6960 h60
POWER2 (plane layer: these items are gaps in the copper):
  lines w10: 5858,1996 5863,1991 ; 5863,1991 5937,1991 5964,2018 5964,2078 5729,2313 5551,2313 5187,2677 4988,2677 4540,3125 4295,3125 4005,3415 3950,3470 3950,3696 3753,3893 3707,3893 3618,3804 3618,3648 3701,3565 3793,3565 3809,3549 3809,3444 3891,3362 4227,3026 4511,3026 4960,2577 5127,2577 5514,2190 5664,2190 5863,1991
  text "8" at 4251,6823 h60
GND4 (plane layer: these items are gaps in the copper):
  lines w5: 848.1,6081 1910,6081 1931,6102 1931,7061 ; 2632,7064 2632,5720 2704,5648 4193,5648 4198,5653 4198,7063
  text "9" at 4347,6824 h60
GND5 (plane layer: these items are gaps in the copper):
  lines w5: 848.1,6081 1910,6081 1930,6101 1930,7061 ; 2632,7065 2633,7064 2633,5719 2702,5650 4198,5650 4198,5676 4198,7064
  text "11" at 4531,6830 h45
GND6 (plane layer: these items are gaps in the copper):
  lines w5: 839,6081 1910,6081 1931,6102 1931,7063 ; 2633,7064 2633,5719 2704,5648 4195,5648 4198,5651 4198,7064
  text "13" at 4713,6829 h45

## Silkscreen, mask and mechanical layers (free items; w line width, h text height)
Top Overlay:
  lines w5: 1272,5045 1272,5057 1272,5068 ; 1273,5056 1372,5056 1394.9,5078.9 ; 1459.5,4984 1467,4976.5 1467,4937 1516,4937 ; 3404.5,5234.5 3405,5234 ; 3415,5454 3432,5454 ; 3418,5385 3418,5401 ; 3418,5393 3426,5393 3426,5377 3432,5371 3448,5371 3458,5361 3458,5327.5 3469,5316.5 ; 3419,5412 3419,5429 ; 3419,5420.5 3427.5,5420.5 3434,5414 3434,5384 3441,5377 3454,5377 3467.5,5363.5 ; 3423.5,5454 3423.5,5446.5 3429,5441 3519,5441 3522,5438 ; 3442.5,5454.5 3459.5,5454.5 ; 3451,5449 3451,5454.5 ; 3451.5,5448.5 3534.5,5448.5 3541.5,5441.5 3541.5,5398 3543.5,5396 ; 4223,6920 4318,6920 ; 4318,6782 4318,6920 ; 4318,7058 4318,6920 ; 4413,6782 4413,6920 ; 4413,7058 4413,6920 ; 4508,6782 4508,6920 ; 4508,7058 4508,6920 ; 4603,6782 4603,6920 ; 4603,7058 4603,6920 ; 4698,6782 4698,6920 ; 4698,7058 4698,6920 ; 4793,6782 4793,6920 ; 4793,7058 4793,6920 ; 4318,6920 4413,6920 ; 4413,6920 4508,6920 ; 4508,6920 4603,6920 ; 4603,6920 4698,6920 ; 4698,6920 4793,6920 ; 4793,6920 4888,6920 ; 4888,6920 4888,7058 4223,7058 4223,6782 4888,6782 4888,6920

## Text inside footprints (layer, text, board x,y; h text height)
C5: Drill Guide "Date : 2013-04-17" at 4401.61,4417.01 h31.5; Drill Guide "Created by : Alexandre Gaudet" at 4399.65,4481.97 h31.5; Drill Guide "Verified by : Alexandre Imbeault" at 4400.63,4448.5 h31.5
C6: Drill Guide "Date : 2013-04-17" at 6250.39,4207.99 h31.5 r180; Drill Guide "Created by : Alexandre Gaudet" at 6252.35,4143.03 h31.5 r180; Drill Guide "Verified by : Alexandre Imbeault" at 6251.37,4176.5 h31.5 r180
C7: Drill Guide "Date : 2013-04-17" at 6244.39,3569.99 h31.5 r180; Drill Guide "Created by : Alexandre Gaudet" at 6246.35,3505.03 h31.5 r180; Drill Guide "Verified by : Alexandre Imbeault" at 6245.37,3538.5 h31.5 r180
C9: Drill Guide "Date : 2013-04-17" at 4403.61,3965.01 h31.5; Drill Guide "Created by : Alexandre Gaudet" at 4401.65,4029.97 h31.5; Drill Guide "Verified by : Alexandre Imbeault" at 4402.63,3996.5 h31.5
C11: Drill Guide "Date : 2013-04-17" at 4394.61,3067.01 h31.5; Drill Guide "Created by : Alexandre Gaudet" at 4392.65,3131.97 h31.5; Drill Guide "Verified by : Alexandre Imbeault" at 4393.63,3098.5 h31.5
C76: Drill Guide "Date : 2013-04-17" at 2349.99,4019.61 h31.5 r90; Drill Guide "Created by : Alexandre Gaudet" at 2285.03,4017.65 h31.5 r90; Drill Guide "Verified by : Alexandre Imbeault" at 2318.5,4018.63 h31.5 r90
C77: Drill Guide "Date : 2013-04-17" at 970.01,4712.39 h31.5 r270; Drill Guide "Created by : Alexandre Gaudet" at 1034.97,4714.35 h31.5 r270; Drill Guide "Verified by : Alexandre Imbeault" at 1001.5,4713.37 h31.5 r270
C155: Drill Guide "Date : 2013-04-17" at 5734.01,6228.39 h31.5 r270; Drill Guide "Created by : Alexandre Gaudet" at 5798.97,6230.35 h31.5 r270; Drill Guide "Verified by : Alexandre Imbeault" at 5765.5,6229.37 h31.5 r270
C157: Drill Guide "Date : 2013-04-17" at 6464.01,6246.39 h31.5 r270; Drill Guide "Created by : Alexandre Gaudet" at 6528.97,6248.35 h31.5 r270; Drill Guide "Verified by : Alexandre Imbeault" at 6495.5,6247.37 h31.5 r270
D3: Top Overlay "+" at 5585.69,5999.06 h15 r270
D4: Top Overlay "+" at 2812.32,4509.94 h15 r90
D5: Top Overlay "+" at 2894.32,4509.94 h15 r90
D6: Top Overlay "+" at 2968.32,4509.94 h15 r90
D7: Top Overlay "+" at 3049.32,4508.94 h15 r90
J1: Top Overlay "1" at 5797.5,6948.43 h15 r180; Mechanical 1 "INSERT WIRES ON THIS SIDE" at 5714.83,7117.72 h31.5 r180
J2: Top Overlay "*" at 1154.94,7057.3 h15 r180
J3: Top Overlay "1" at 3948.33,2543.82 h15 r270; Top Overlay "40" at 5979,2466 h15 r270; Top Overlay "k" at 3763.33,2033.82 h15 r270; Top Overlay "j" at 3763.33,2083.82 h15 r270; Top Overlay "g" at 3768.33,2188.82 h15 r270; Top Overlay "h" at 3764,2136 h15 r270; Top Overlay "f" at 3758.33,2233.82 h15 r270; Top Overlay "a" at 3764,2491 h15 r270; Top Overlay "b" at 3764,2441 h15 r270; Top Overlay "c" at 3764,2391 h15 r270; Top Overlay "d" at 3763.33,2345.19 h15 r270; Top Overlay "e" at 3764.89,2283.92 h15 r270; Mechanical 14 "1" at 3948.33,2543.82 h39.37 r270; Mechanical 14 "40" at 5979,2466 h47.24 r270; Mechanical 14 "k" at 3763.33,2033.82 h39.37 r270; Mechanical 14 "j" at 3763.33,2083.82 h39.37 r270; Mechanical 14 "g" at 3768.33,2188.82 h39.37 r270; Mechanical 14 "h" at 3764,2136 h39.37 r270; Mechanical 14 "f" at 3758.33,2233.82 h39.37 r270; Mechanical 14 "e" at 3764.89,2283.92 h39.37 r270; Mechanical 14 "d" at 3763.33,2345.19 h39.37 r270; Mechanical 14 "c" at 3764,2391 h39.37 r270; Mechanical 14 "b" at 3764,2441 h39.37 r270; Mechanical 14 "a" at 3764,2491 h39.37 r270
J5: Top Overlay "1" at 6075.5,6845.57 h15; Mechanical 1 "INSERT WIRES ON THIS SIDE" at 6158.17,6676.28 h31.5
U2: Mechanical 13 "PH" at 2156.72,2605.66 h60 r180; Mechanical 13 "VOUT" at 2160.66,2814.32 h60 r180; Mechanical 13 "GND" at 2373.26,2786.76 h60 r180